# Altium PCB Copy of Motor_Driver_3_Phase.PcbDoc (part 1 of 3) (continued)
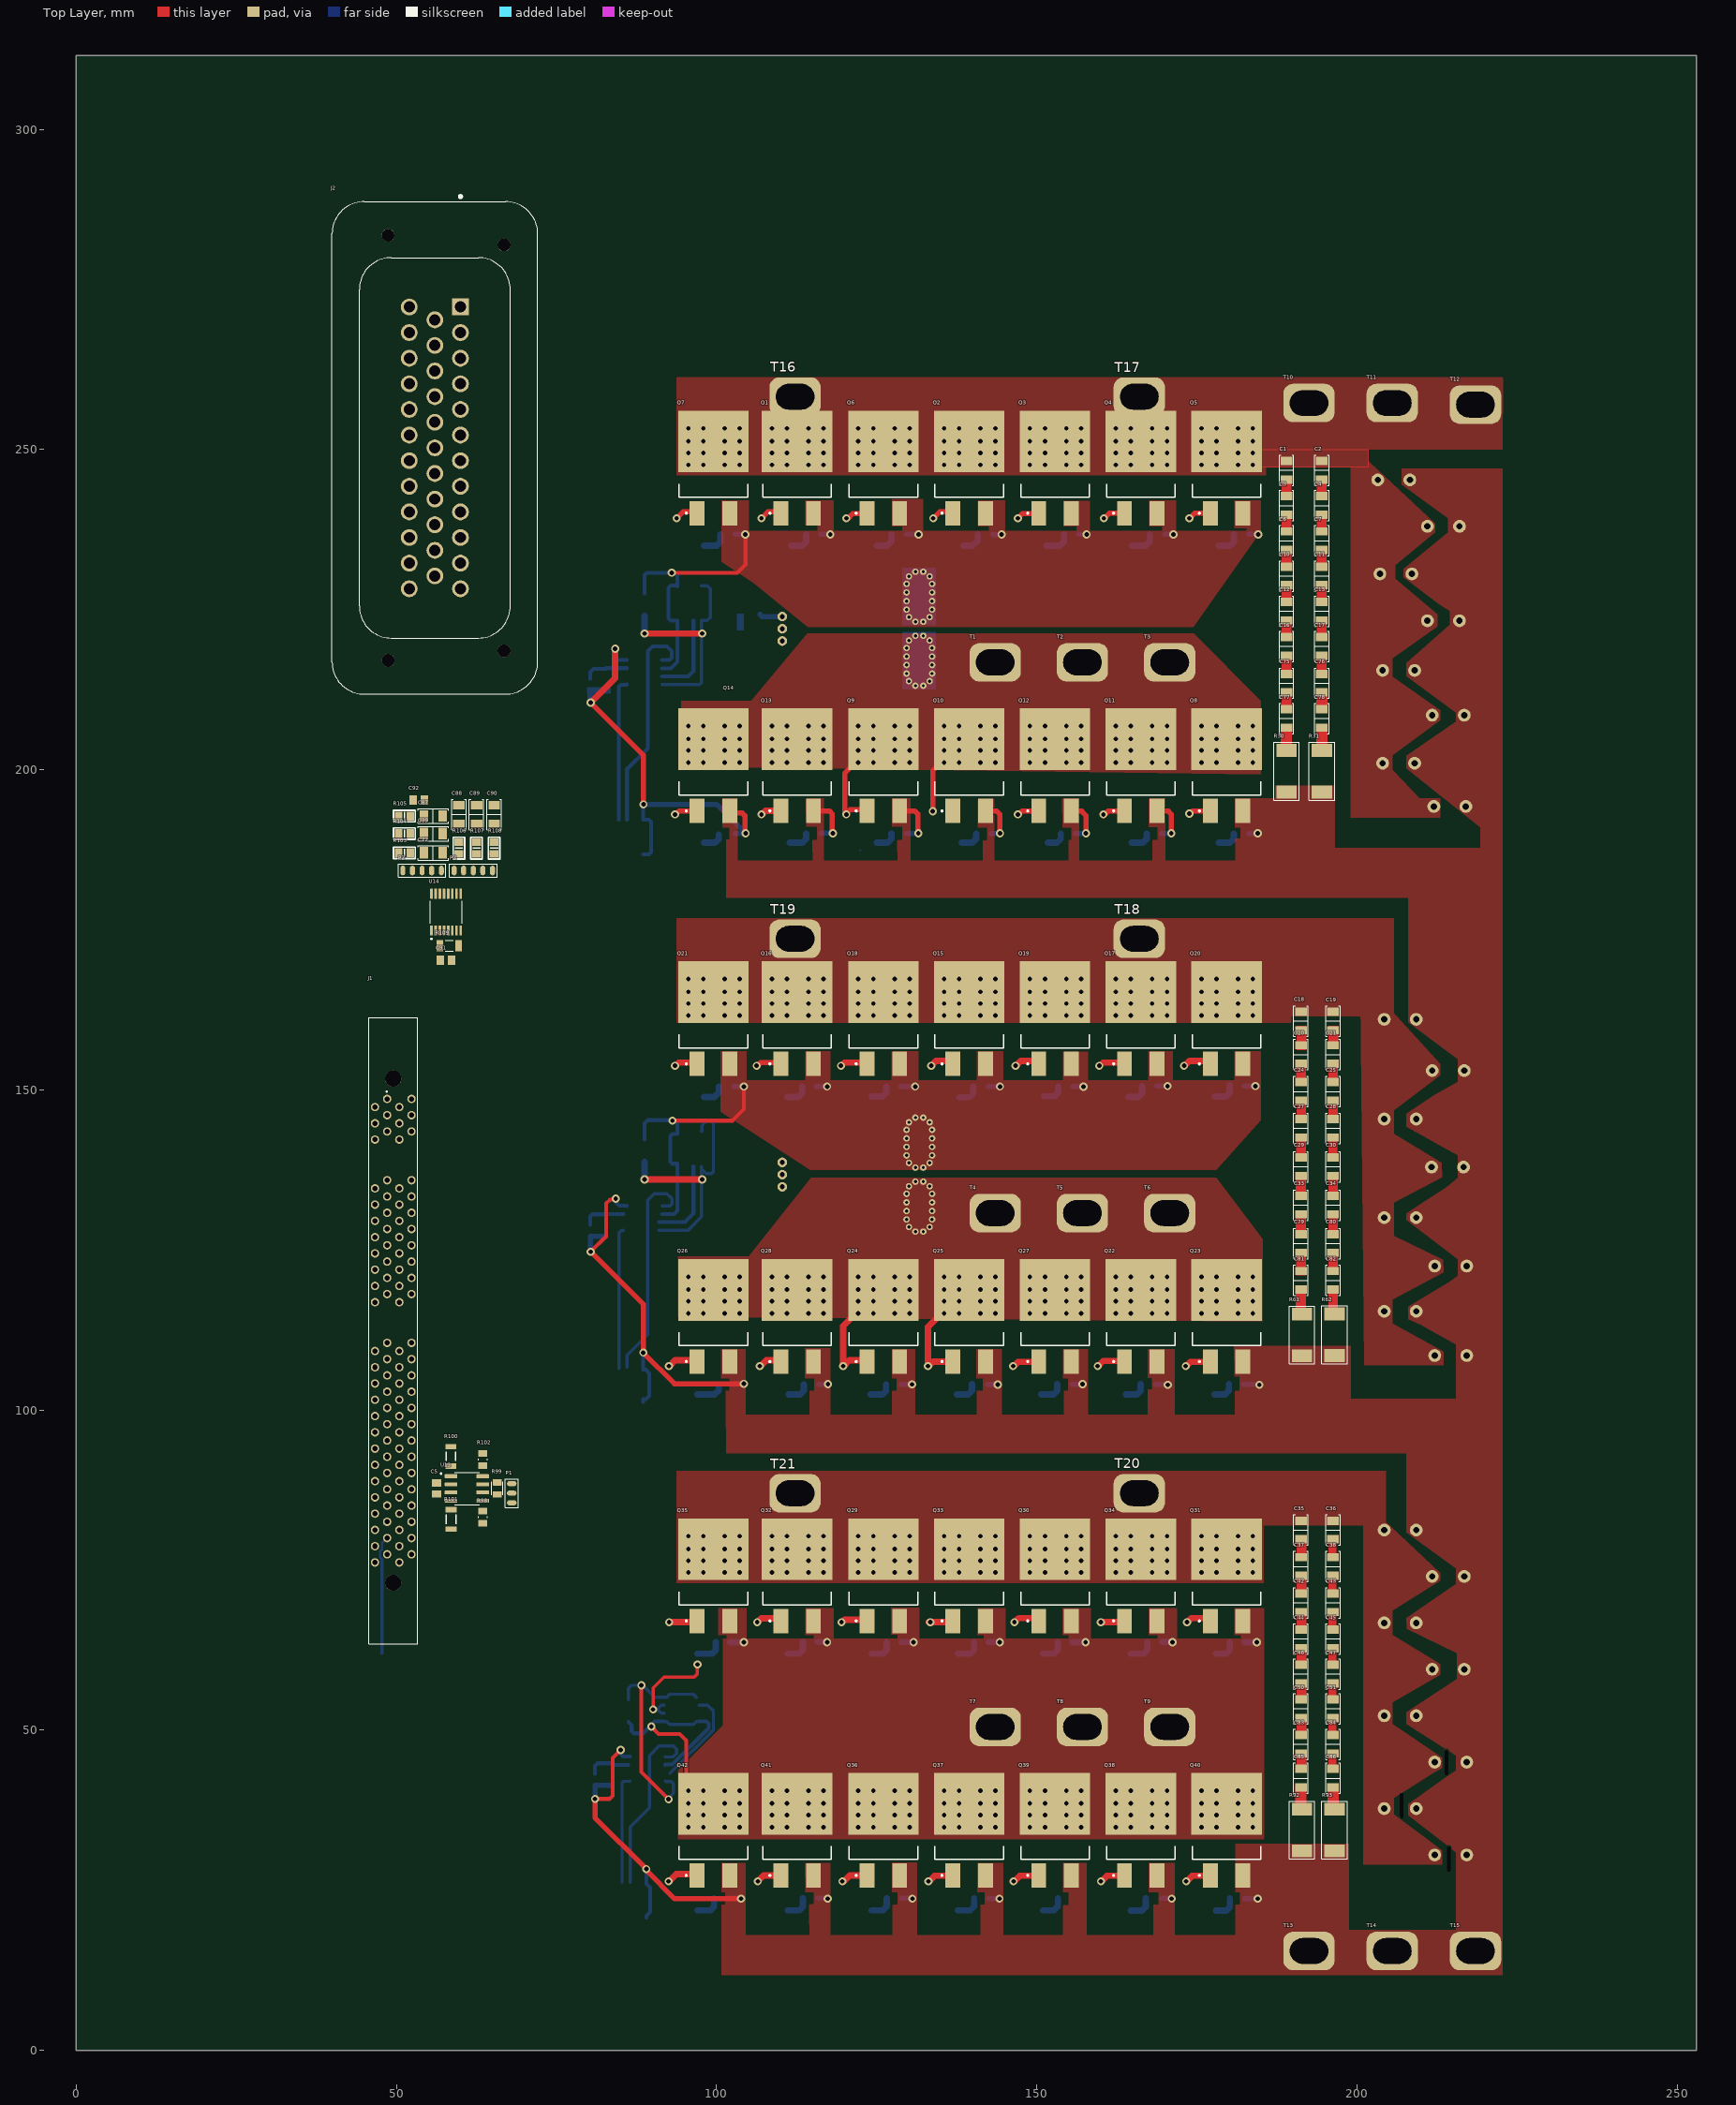
[diagram p0: Top Layer view]
## Components (designator, comment, footprint, x,y, rotation, side; value= is the part's Value field where it differs from the comment)
C1 "1nF" "CAP 1206_3216 - 1.8MM" 189,246.75 r90 top
C2 "1nF" "CAP 1206_3216 - 1.8MM" 194.5,246.75 r90 top
C3 "1nF" "CAP 1206_3216 - 1.8MM" 189,241.25 r90 top
C4 "1nF" "CAP 1206_3216 - 1.8MM" 194.5,241.25 r90 top
C5 "0.1uF" CAPC2012X88N 56.25,87.75 r90 top
C6 "1nF" "CAP 1206_3216 - 1.8MM" 189,235.75 r90 top
C7 "1nF" "CAP 1206_3216 - 1.8MM" 194.5,235.75 r90 top
C8 "4.7uF" "CAP ALSMD POLY 4.3MM H5.5MM" 88.75,225.75 r90 bottom
C9 "4.7uF" "CAP ALSMD POLY 4.3MM H5.5MM" 88.75,140.5 r90 bottom
C10 "1nF" "CAP 1206_3216 - 1.8MM" 189,230.25 r90 top
C11 "1nF" "CAP 1206_3216 - 1.8MM" 194.5,230.25 r90 top
C12 "1nF" "CAP 1206_3216 - 1.8MM" 189,224.75 r90 top
C13 "1nF" "CAP 1206_3216 - 1.8MM" 194.5,224.75 r90 top
C14 "10UF" CAPC2012X140N 80.267,213.285 r270 bottom
C15 "10UF" CAPC2012X140N 80.267,128.035 r270 bottom
C16 "1nF" "CAP 1206_3216 - 1.8MM" 189,219.25 r90 top
C17 "1nF" "CAP 1206_3216 - 1.8MM" 194.5,219.25 r90 top
C18 "1nF" "CAP 1206_3216 - 1.8MM" 191.25,160.75 r90 top
C19 "1nF" "CAP 1206_3216 - 1.8MM" 196.25,160.75 r90 top
C20 "1nF" "CAP 1206_3216 - 1.8MM" 191.25,155.5 r90 top
C21 "1nF" "CAP 1206_3216 - 1.8MM" 196.25,155.5 r90 top
C22 "1nF" "CAP 1206_3216 - 1.8MM" 55.75,187 r180 top
C23 "4.7uF" "CAP ALSMD POLY 4.3MM H5.5MM" 86.238,53 r270 bottom
C24 "1nF" "CAP 1206_3216 - 1.8MM" 191.25,149.75 r90 top
C25 "1nF" "CAP 1206_3216 - 1.8MM" 196.25,149.75 r90 top
C26 "10UF" CAPC2012X140N 81.017,42.285 r270 bottom
C27 "1nF" "CAP 1206_3216 - 1.8MM" 191.25,144 r90 top
C28 "1nF" "CAP 1206_3216 - 1.8MM" 196.25,144 r90 top
C29 "1nF" "CAP 1206_3216 - 1.8MM" 191.25,138 r90 top
C30 "1nF" "CAP 1206_3216 - 1.8MM" 196.25,138 r90 top
C31 "63v 4700uF" "cap 10*20" 205.75,245.25 r0 bottom
C32 "63v 4700uF" "cap 10*20" 213.5,238 r0 bottom
C33 "1nF" "CAP 1206_3216 - 1.8MM" 191.25,132 r90 top
C34 "1nF" "CAP 1206_3216 - 1.8MM" 196.25,132 r90 top
C35 "1nF" "CAP 1206_3216 - 1.8MM" 191.25,81.25 r90 top
C36 "1nF" "CAP 1206_3216 - 1.8MM" 196.25,81.25 r90 top
C37 "1nF" "CAP 1206_3216 - 1.8MM" 191.25,75.561 r90 top
C38 "1nF" "CAP 1206_3216 - 1.8MM" 196.25,75.561 r90 top
C39 "1nF" "CAP 1206_3216 - 1.8MM" 55.75,190 r180 top
C40 "63v 4700uF" "cap 10*20" 206.074,230.568 r0 bottom
C41 "63v 4700uF" "cap 10*20" 213.5,223.25 r0 bottom
C42 "1nF" "CAP 1206_3216 - 1.8MM" 191.25,69.899 r90 top
C43 "1nF" "CAP 1206_3216 - 1.8MM" 196.25,69.899 r90 top
C44 "1nF" "CAP 1206_3216 - 1.8MM" 191.25,64.243 r90 top
C45 "1nF" "CAP 1206_3216 - 1.8MM" 196.25,64.243 r90 top
C46 "1nF" "CAP 1206_3216 - 1.8MM" 191.25,58.753 r90 top
C47 "1nF" "CAP 1206_3216 - 1.8MM" 196.25,58.753 r90 top
C48 "63v 4700uF" "cap 10*20" 206.5,215.5 r0 bottom
C49 "63v 4700uF" "cap 10*20" 214.25,208.5 r0 bottom
C50 "1nF" "CAP 1206_3216 - 1.8MM" 191.25,53.345 r90 top
C51 "1nF" "CAP 1206_3216 - 1.8MM" 196.25,53.345 r90 top
C52 "63v 4700uF" "cap 10*20" 206.5,201 r0 bottom
C53 "63v 4700uF" "cap 10*20" 214.5,194.25 r0 bottom
C54 "63v 4700uF" "cap 10*20" 206.75,161 r0 bottom
C55 "63v 4700uF" "cap 10*20" 214.25,153 r0 bottom
C56 "63v 4700uF" "cap 10*20" 206.75,145.435 r0 bottom
C57 "63v 4700uF" "cap 10*20" 214.136,137.928 r0 bottom
C58 "63v 4700uF" "cap 10*20" 206.75,130.036 r0 bottom
C59 "63v 4700uF" "cap 10*20" 214.636,122.474 r0 bottom
C60 "63v 4700uF" "cap 10*20" 206.75,115.408 r0 bottom
C61 "63v 4700uF" "cap 10*20" 214.636,108.5 r0 bottom
C62 "63v 4700uF" "cap 10*20" 206.75,81.247 r0 bottom
C63 "63v 4700uF" "cap 10*20" 214.25,74 r0 bottom
C64 "63v 4700uF" "cap 10*20" 206.75,66.747 r0 bottom
C65 "63v 4700uF" "cap 10*20" 214.25,59.503 r0 bottom
C66 "63v 4700uF" "cap 10*20" 206.75,52.247 r0 bottom
C67 "63v 4700uF" "cap 10*20" 214.636,45.003 r0 bottom
C68 "63v 4700uF" "cap 10*20" 206.75,37.747 r0 bottom
C69 "63v 4700uF" "cap 10*20" 214.636,30.5 r0 bottom
C70 "uF" C-1206 105.25,221.75 r180 bottom
C71 "uF" C-1206 105.25,137 r180 bottom
C72 "100nF" C-0805W 101.75,236.75 r180 bottom
C73 "100nF" C-0805W 115.108,236.747 r180 bottom
C74 "100nF" C-0805W 128.438,236.747 r180 bottom
C75 "1nF" "CAP 1206_3216 - 1.8MM" 189,213.5 r90 top
C76 "1nF" "CAP 1206_3216 - 1.8MM" 194.5,213.5 r90 top
C77 "1nF" "CAP 1206_3216 - 1.8MM" 189,208 r90 top
C78 "1nF" "CAP 1206_3216 - 1.8MM" 194.5,208 r90 top
C79 "1nF" "CAP 1206_3216 - 1.8MM" 191.25,126 r90 top
C80 "1nF" "CAP 1206_3216 - 1.8MM" 196.25,126 r90 top
C81 "1nF" "CAP 1206_3216 - 1.8MM" 191.25,120.25 r90 top
C82 "1nF" "CAP 1206_3216 - 1.8MM" 196.25,120.25 r90 top
C83 "1nF" "CAP 1206_3216 - 1.8MM" 191.25,47.803 r90 top
C84 "1nF" "CAP 1206_3216 - 1.8MM" 196.25,47.803 r90 top
C85 "1nF" "CAP 1206_3216 - 1.8MM" 191.25,42.511 r90 top
C86 "1nF" "CAP 1206_3216 - 1.8MM" 196.25,42.511 r90 top
C87 "1nF" "CAP 1206_3216 - 1.8MM" 55.75,192.75 r180 top
C88 "1nF" "CAP 1206_3216 - 1.8MM" 59.75,193 r270 top
C89 "1nF" "CAP 1206_3216 - 1.8MM" 62.5,193 r270 top
C90 "1nF" "CAP 1206_3216 - 1.8MM" 65.25,193 r270 top
C91 "0.1uF" CAPC2012X88N 57.75,170.25 r0 top
C92 "0.1uF" CAPC2012X88N 53.5,195.25 r0 top
C93 "100nF" C-0805W 141.945,236.747 r180 bottom
C94 "100nF" C-0805W 155.389,236.747 r180 bottom
C95 "100nF" C-0805W 168.794,236.747 r180 bottom
C96 "100nF" C-0805W 181.906,236.747 r180 bottom
C97 "100nF" C-0805W 128.438,190.031 r180 bottom
C98 "100nF" C-0805W 141.695,190 r180 bottom
C99 "100nF" C-0805W 168.294,190 r180 bottom
C100 "100nF" C-0805W 181.906,190 r180 bottom
C101 "100nF" C-0805W 101.5,190.031 r180 bottom
C102 "100nF" C-0805W 115.108,190.031 r180 bottom
C103 "100nF" C-0805W 154.889,190 r180 bottom
C104 "100nF" C-0805W 114.5,150.5 r180 bottom
C105 "100nF" C-0805W 127.624,150.5 r180 bottom
C106 "100nF" C-0805W 141.24,150.5 r180 bottom
C107 "100nF" C-0805W 154.5,150.5 r180 bottom
C108 "100nF" C-0805W 167.597,150.567 r180 bottom
C109 "100nF" C-0805W 181.246,150.567 r180 bottom
C110 "100nF" C-0805W 101.5,150.5 r180 bottom
C111 "100nF" C-0805W 127.611,103.999 r180 bottom
C112 "100nF" C-0805W 141.047,104.014 r180 bottom
C113 "100nF" C-0805W 167.342,104.014 r180 bottom
C114 "100nF" C-0805W 181.143,104.014 r180 bottom
C115 "100nF" C-0805W 101.5,103.999 r180 bottom
C116 "100nF" C-0805W 114.75,103.999 r180 bottom
C117 "100nF" C-0805W 154.35,104.014 r180 bottom
C118 "100nF" C-0805W 114.621,63.772 r180 bottom
C119 "100nF" C-0805W 127.71,63.772 r180 bottom
C120 "100nF" C-0805W 141.356,63.772 r180 bottom
C121 "100nF" C-0805W 154.447,63.772 r180 bottom
C122 "100nF" C-0805W 168.413,63.772 r180 bottom
C123 "100nF" C-0805W 181.301,63.772 r180 bottom
C124 "100nF" C-0805W 101,63.772 r180 bottom
C125 "100nF" C-0805W 127.71,23.74 r180 bottom
C126 "100nF" C-0805W 141.356,23.74 r180 bottom
C127 "100nF" C-0805W 168.163,23.74 r180 bottom
C128 "100nF" C-0805W 181.301,23.74 r180 bottom
C129 "100nF" C-0805W 100.75,23.74 r180 bottom
C130 "100nF" C-0805W 114.621,23.74 r180 bottom
C131 "100nF" C-0805W 154.447,23.74 r180 bottom
D1 "1N4148 Diyot" SOD-123 93.5,235.535 r270 bottom
D2 "1N4148 Diyot" SOD-123 107.122,235.535 r270 bottom
D3 "1N4148 Diyot" SOD-123 120.5,235.535 r270 bottom
D4 "1N4148 Diyot" SOD-123 133.952,235.535 r270 bottom
D5 "1N4148 Diyot" SOD-123 146.96,235.535 r270 bottom
D6 "1N4148 Diyot" SOD-123 160.25,235.535 r270 bottom
D7 "1N4148 Diyot" SOD-123 173.797,235.535 r270 bottom
D8 "1N4148 Diyot" SOD-123 120.5,189.25 r270 bottom
D9 "1N4148 Diyot" SOD-123 133.702,189.25 r270 bottom
D10 "1N4148 Diyot" SOD-123 93.5,189.25 r270 bottom
D11 "1N4148 Diyot" SOD-123 106.872,189.25 r270 bottom
D12 "1N4148 Diyot" SOD-123 146.96,189.25 r270 bottom
D13 "1N4148 Diyot" SOD-123 160.25,189.25 r270 bottom
D14 "1N4148 Diyot" SOD-123 173.797,189.25 r270 bottom
D15 "1N4148 Diyot" SOD-123 93.5,149.5 r270 bottom
D16 "1N4148 Diyot" SOD-123 106.5,149.5 r270 bottom
D17 "1N4148 Diyot" SOD-123 119.75,149.5 r270 bottom
D18 "1N4148 Diyot" SOD-123 133.364,149.472 r270 bottom
D19 "1N4148 Diyot" SOD-123 146.679,149.551 r270 bottom
D20 "1N4148 Diyot" SOD-123 159.726,149.42 r270 bottom
D21 "1N4148 Diyot" SOD-123 173.25,149.5 r270 bottom
D22 "1N4148 Diyot" SOD-123 119.534,103 r270 bottom
D23 "1N4148 Diyot" SOD-123 133.036,103 r270 bottom
D24 "1N4148 Diyot" SOD-123 92.5,103 r270 bottom
D25 "1N4148 Diyot" SOD-123 106.661,103 r270 bottom
D26 "1N4148 Diyot" SOD-123 146.066,103 r270 bottom
D27 "1N4148 Diyot" SOD-123 159.424,103 r270 bottom
D28 "1N4148 Diyot" SOD-123 173.108,103 r270 bottom
D29 "1N4148 Diyot" SOD-123 92.5,62.5 r270 bottom
D30 "1N4148 Diyot" SOD-123 106.499,62.5 r270 bottom
D31 "1N4148 Diyot" SOD-123 119.587,62.5 r270 bottom
D32 "1N4148 Diyot" SOD-123 133.136,62.5 r270 bottom
D33 "1N4148 Diyot" SOD-123 146.481,62.5 r270 bottom
D34 "1N4148 Diyot" SOD-123 160.051,62.5 r270 bottom
D35 "1N4148 Diyot" SOD-123 173.46,62.5 r270 bottom
D36 "1N4148 Diyot" SOD-123 119.587,22.405 r270 bottom
D37 "1N4148 Diyot" SOD-123 133.136,22.405 r270 bottom
D38 "1N4148 Diyot" SOD-123 92.5,22.405 r270 bottom
D39 "1N4148 Diyot" SOD-123 106.499,22.405 r270 bottom
D40 "1N4148 Diyot" SOD-123 146.481,22.405 r270 bottom
D41 "1N4148 Diyot" SOD-123 160.051,22.409 r270 bottom
D42 "1N4148 Diyot" SOD-123 173.46,22.409 r270 bottom
J1 "100 Position DIMM" TE_5390213-1 49.5,112.38 r270 top
J2 "Conn Power HDR 35 POS" TE_776230-2 56,250.25 r270 top
P1 "WR-PHD 2.54 mm Angled Socket Header" PWM_CONN 68,87 r270 top
P2 "WR-PHD 2.54 mm Angled Socket Header" TTL_CONN_5 54,184.25 r0 top
P3 "WR-PHD 2.54 mm Angled Socket Header" TTL_CONN_5 62,184.25 r0 top
PS1 "REC10-4815DRWZ/H2/A/M/SMD" CONV_REC10-4815DRWZ/H2/A/M/SMD 57.5,24.75 r270 bottom
Q1 "TO-263" DPAK_TO263 112.568,246.25 r90 top
Q2 "TO-263" DPAK_TO263 139.44,246.25 r90 top
Q3 "TO-263" DPAK_TO263 152.837,246.25 r90 top
Q4 "TO-263" DPAK_TO263 166.234,246.25 r90 top
Q5 "TO-263" DPAK_TO263 179.631,246.25 r90 top
Q6 "TO-263" DPAK_TO263 126.044,246.25 r90 top
Q7 "TO-263" DPAK_TO263 99.5,246.25 r90 top
Q8 "TO-263" DPAK_TO263 179.631,199.754 r90 top
Q9 "TO-263" DPAK_TO263 126.044,199.754 r90 top
Q10 "TO-263" DPAK_TO263 139.44,199.754 r90 top
Q11 "TO-263" DPAK_TO263 166.234,199.754 r90 top
Q12 "TO-263" DPAK_TO263 152.837,199.754 r90 top
Q13 "TO-263" DPAK_TO263 112.568,199.754 r90 top
Q14 "TO-263" DPAK_TO263 99.5,199.754 r90 top
Q15 "TO-263" DPAK_TO263 139.44,160.25 r90 top
Q16 "TO-263" DPAK_TO263 112.568,160.25 r90 top
Q17 "TO-263" DPAK_TO263 166.234,160.25 r90 top
Q18 "TO-263" DPAK_TO263 126.044,160.25 r90 top
Q19 "TO-263" DPAK_TO263 152.837,160.25 r90 top
Q20 "TO-263" DPAK_TO263 179.631,160.25 r90 top
Q21 "TO-263" DPAK_TO263 99.5,160.25 r90 top
Q22 "TO-263" DPAK_TO263 166.234,113.754 r90 top
Q23 "TO-263" DPAK_TO263 179.631,113.754 r90 top
Q24 "TO-263" DPAK_TO263 126.044,113.754 r90 top
Q25 "TO-263" DPAK_TO263 139.44,113.754 r90 top
Q26 "TO-263" DPAK_TO263 99.5,113.754 r90 top
Q27 "TO-263" DPAK_TO263 152.837,113.754 r90 top
Q28 "TO-263" DPAK_TO263 112.568,113.754 r90 top
Q29 "TO-263" DPAK_TO263 126.044,73.25 r90 top
Q30 "TO-263" DPAK_TO263 152.837,73.25 r90 top
Q31 "TO-263" DPAK_TO263 179.631,73.25 r90 top
Q32 "TO-263" DPAK_TO263 112.568,73.25 r90 top
Q33 "TO-263" DPAK_TO263 139.44,73.25 r90 top
Q34 "TO-263" DPAK_TO263 166.234,73.25 r90 top
Q35 "TO-263" DPAK_TO263 99.5,73.25 r90 top
Q36 "TO-263" DPAK_TO263 126.044,33.504 r90 top
Q37 "TO-263" DPAK_TO263 139.44,33.504 r90 top
Q38 "TO-263" DPAK_TO263 166.234,33.504 r90 top
Q39 "TO-263" DPAK_TO263 152.837,33.504 r90 top
Q40 "TO-263" DPAK_TO263 179.631,33.504 r90 top
Q41 "TO-263" DPAK_TO263 112.568,33.504 r90 top
Q42 "TO-263" DPAK_TO263 99.5,33.504 r90 top
R1 "22Ω" R-1206W 95.786,235.578 r90 bottom
R2 "22Ω" R-1206W 109.424,235.578 r90 bottom
R3 "RES SMD 10K OHM 1% 1/8W 0805" R-0805W 111.657,236.124 r90 bottom
R4 "22Ω" R-1206W 122.77,235.578 r90 bottom
R5 "RES SMD 10K OHM 1% 1/8W 0805" R-0805W 125.001,236.124 r90 bottom
R6 "22Ω" R-1206W 136.266,235.578 r90 bottom
R7 "RES SMD 10K OHM 1% 1/8W 0805" R-0805W 138.519,236.124 r90 bottom
R8 "22Ω" R-1206W 149.284,235.578 r90 bottom
R9 "RES SMD 10K OHM 1% 1/8W 0805" R-0805W 151.52,236.124 r90 bottom
R10 "22Ω" R-1206W 162.563,235.578 r90 bottom
R11 "RES SMD 10K OHM 1% 1/8W 0805" R-0805W 164.81,236.124 r90 bottom
R12 "22Ω" R-1206W 176.099,235.578 r90 bottom
R13 "RES SMD 10K OHM 1% 1/8W 0805" R-0805W 178.381,236.124 r90 bottom
R14 "RES SMD 10K OHM 1% 1/8W 0805" R-0805W 98.036,236.124 r90 bottom
R15 "22Ω" R-1206W 95.786,189.191 r90 bottom
R16 "22Ω" R-1206W 136.016,189.191 r90 bottom
R17 "22Ω" R-1206W 109.174,189.191 r90 bottom
R18 "22Ω" R-1206W 122.77,189.191 r90 bottom
R19 "22Ω" R-1206W 149.284,189.191 r90 bottom
R20 "22Ω" R-1206W 162.563,189.191 r90 bottom
R21 "22Ω" R-1206W 176.099,189.191 r90 bottom
R22 "12KΩ" R-1206W 82.744,214.103 r90 bottom
R23 "RES SMD 10K OHM 1% 1/8W 0805" R-0805W 125.001,189.738 r90 bottom
R24 "RES SMD 10K OHM 1% 1/8W 0805" R-0805W 138.269,189.738 r90 bottom
R25 "RES SMD 10K OHM 1% 1/8W 0805" R-0805W 164.81,189.738 r90 bottom
R26 "RES SMD 10K OHM 1% 1/8W 0805" R-0805W 178.381,189.738 r90 bottom
R27 "RES SMD 10K OHM 1% 1/8W 0805" R-0805W 98.036,189.738 r90 bottom
R28 "RES SMD 10K OHM 1% 1/8W 0805" R-0805W 111.407,189.738 r90 bottom
R29 "RES SMD 10K OHM 1% 1/8W 0805" R-0805W 151.52,189.738 r90 bottom
R30 "1" R-2512W 189,199.75 r90 top
R31 "1" R-2512W 194.5,199.75 r90 top
R32 "22Ω" R-1206W 95.786,149.5 r90 bottom
R33 "22Ω" R-1206W 108.75,149.5 r90 bottom
R34 "RES SMD 10K OHM 1% 1/8W 0805" R-0805W 111.027,150.03 r90 bottom
R35 "22Ω" R-1206W 122.027,149.521 r90 bottom
R36 "RES SMD 10K OHM 1% 1/8W 0805" R-0805W 124.236,150.091 r90 bottom
R37 "22Ω" R-1206W 135.604,149.444 r90 bottom
R38 "RES SMD 10K OHM 1% 1/8W 0805" R-0805W 137.872,149.982 r90 bottom
R39 "22Ω" R-1206W 148.93,149.558 r90 bottom
R40 "RES SMD 10K OHM 1% 1/8W 0805" R-0805W 151.154,150.125 r90 bottom
R41 "22Ω" R-1206W 162.026,149.408 r90 bottom
R42 "RES SMD 10K OHM 1% 1/8W 0805" R-0805W 164.269,150.014 r90 bottom
R43 "22Ω" R-1206W 175.599,149.499 r90 bottom
R44 "RES SMD 10K OHM 1% 1/8W 0805" R-0805W 177.792,150.083 r90 bottom
R45 "RES SMD 10K OHM 1% 1/8W 0805" R-0805W 98.036,150.03 r90 bottom
R46 "22Ω" R-1206W 94.778,103.005 r90 bottom
R47 "22Ω" R-1206W 121.801,103.005 r90 bottom
R48 "22Ω" R-1206W 135.332,103.005 r90 bottom
R49 "22Ω" R-1206W 108.982,103.005 r90 bottom
R50 "22Ω" R-1206W 148.387,103.005 r90 bottom
R51 "22Ω" R-1206W 161.673,103.005 r90 bottom
R52 "22Ω" R-1206W 175.431,103.005 r90 bottom
R53 "12KΩ" R-1206W 82.778,128.802 r90 bottom
R54 "RES SMD 10K OHM 1% 1/8W 0805" R-0805W 124.05,103.578 r90 bottom
R55 "RES SMD 10K OHM 1% 1/8W 0805" R-0805W 137.56,103.578 r90 bottom
R56 "RES SMD 10K OHM 1% 1/8W 0805" R-0805W 163.914,103.578 r90 bottom
R57 "RES SMD 10K OHM 1% 1/8W 0805" R-0805W 177.72,103.578 r90 bottom
R58 "RES SMD 10K OHM 1% 1/8W 0805" R-0805W 96.982,103.578 r90 bottom
R59 "RES SMD 10K OHM 1% 1/8W 0805" R-0805W 111.25,103.578 r90 bottom
R60 "RES SMD 10K OHM 1% 1/8W 0805" R-0805W 150.666,103.578 r90 bottom
R61 "1" R-2512W 191.419,111.719 r90 top
R62 "1" R-2512W 196.5,111.75 r90 top
R63 "22Ω" R-1206W 94.803,62.573 r90 bottom
R64 "22Ω" R-1206W 108.851,62.573 r90 bottom
R65 "RES SMD 10K OHM 1% 1/8W 0805" R-0805W 111.127,63.082 r90 bottom
R66 "22Ω" R-1206W 121.91,62.573 r90 bottom
R67 "RES SMD 10K OHM 1% 1/8W 0805" R-0805W 124.189,63.082 r90 bottom
R68 "22Ω" R-1206W 135.44,62.573 r90 bottom
R69 "RES SMD 10K OHM 1% 1/8W 0805" R-0805W 137.67,63.082 r90 bottom
R70 "22Ω" R-1206W 148.764,62.573 r90 bottom
R71 "RES SMD 10K OHM 1% 1/8W 0805" R-0805W 151.01,63.082 r90 bottom
R72 "22Ω" R-1206W 162.377,62.573 r90 bottom
R73 "RES SMD 10K OHM 1% 1/8W 0805" R-0805W 164.678,63.082 r90 bottom
R74 "22Ω" R-1206W 175.754,62.573 r90 bottom
R75 "RES SMD 10K OHM 1% 1/8W 0805" R-0805W 177.973,63.082 r90 bottom
R76 "RES SMD 10K OHM 1% 1/8W 0805" R-0805W 96.982,63.082 r90 bottom
R77 "22Ω" R-1206W 94.803,22.427 r90 bottom
R78 "22Ω" R-1206W 121.91,22.451 r90 bottom
R79 "22Ω" R-1206W 135.44,22.451 r90 bottom
R80 "22Ω" R-1206W 108.851,22.427 r90 bottom
R81 "22Ω" R-1206W 148.764,22.451 r90 bottom
R82 "22Ω" R-1206W 162.377,22.371 r90 bottom
R83 "22Ω" R-1206W 175.754,22.371 r90 bottom
R84 "12KΩ" R-1206W 83.467,43.069 r90 bottom
R85 "RES SMD 10K OHM 1% 1/8W 0805" R-0805W 124.189,23.002 r90 bottom
R86 "RES SMD 10K OHM 1% 1/8W 0805" R-0805W 137.67,23.002 r90 bottom
R87 "RES SMD 10K OHM 1% 1/8W 0805" R-0805W 164.678,22.952 r90 bottom
R88 "RES SMD 10K OHM 1% 1/8W 0805" R-0805W 177.973,22.952 r90 bottom
R89 "RES SMD 10K OHM 1% 1/8W 0805" R-0805W 96.982,22.989 r90 bottom
R90 "RES SMD 10K OHM 1% 1/8W 0805" R-0805W 111.127,22.989 r90 bottom
R91 "RES SMD 10K OHM 1% 1/8W 0805" R-0805W 151.01,23.002 r90 bottom
R92 "1" R-2512W 191.419,34.393 r90 top
R93 "1" R-2512W 196.5,34.393 r90 top
R94 "10K" R-1206 105.25,224.25 r180 bottom
R95 "10K" R-1206 105.15,139.5 r180 bottom
R98 "10K" RESC2012X70N 63.5,83.25 r270 top
R99 "120Ω" RESC2012X65N 65.75,87.75 r90 top
R100 "0 Ω" "RES 0.0 OHM 1206" 58.5,92.75 r270 top
R101 "0 Ω" "RES 0.0 OHM 1206" 58.527,82.926 r90 top
R102 "10K" RESC2012X70N 63.5,92.25 r270 top
R103 "RES SMD 1K OHM 1% 1/8W 0805" RES_0805 51.25,187 r180 top
R104 "RES SMD 1K OHM 1% 1/8W 0805" RES_0805 51.25,190 r180 top
R105 "RES SMD 1K OHM 1% 1/8W 0805" RES_0805 51.25,192.75 r180 top
R106 "RES SMD 1K OHM 1% 1/8W 0805" RES_0805 59.75,187.75 r90 top
R107 "RES SMD 1K OHM 1% 1/8W 0805" RES_0805 62.5,187.75 r90 top
R108 "RES SMD 1K OHM 1% 1/8W 0805" RES_0805 65.25,187.75 r90 top
R109 "2.2K" RESC3115X65N-2.2K-1206 58.25,172.5 r180 top
T1 "TCon" connectorout 143.5,216.75 r0 top
T2 "TCon" connectorout 157.125,216.75 r0 top
T3 "TCon" connectorout 170.75,216.75 r0 top
T4 "TCon" connectorout 143.5,130.75 r0 top
T5 "TCon" connectorout 157.125,130.75 r0 top
T6 "TCon" connectorout 170.75,130.75 r0 top
T7 "TCon" connectorout 143.5,50.5 r0 top
T8 "TCon" connectorout 157.125,50.5 r0 top
T9 "TCon" connectorout 170.75,50.5 r0 top
T10 "TCon" connectorout 192.5,257.25 r0 top
T11 "TCon" connectorout 205.5,257.25 r0 top
T12 "TCon" connectorout 218.5,257 r0 top
T13 "TCon" connectorout 192.5,15.5 r0 top
T14 "TCon" connectorout 205.5,15.5 r0 top
T15 "TCon" connectorout 218.5,15.5 r0 top
T16 "TCon" connectorout 112.25,258.25 r0 top
T17 "TCon" connectorout 166,258.25 r0 top
T18 "TCon" connectorout 166,173.577 r0 top
T19 "TCon" connectorout 112.25,173.577 r0 top
T20 "TCon" connectorout 166,87 r0 top
T21 "TCon" connectorout 112.25,87 r0 top
U1 "IXDD614 PI / SI" SOIC8-IXD_614 95.75,226 r90 bottom
U2 "IXDD614 PI / SI" SOIC8-IXD_614 95.75,140.75 r90 bottom
U3 "2ED21091S06F" SOIC127P600X172-8N-1-V 88.722,215.2 r0 bottom
U4 "2ED21091S06F" SOIC127P600X172-8N-1-V 88.722,129.95 r0 bottom
U5 "IXDD614 PI / SI" SOIC8-IXD_614 86.635,189.475 r270 bottom
U6 "IXDD614 PI / SI" SOIC8-IXD_614 86.635,103.975 r270 bottom
U7 "IXDD614 PI / SI" SOIC8-IXD_614 94.5,53.25 r180 bottom
U8 "2ED21091S06F" SOIC127P600X172-8N-1-V 89.222,43.95 r0 bottom
U9 "IXDD614 PI / SI" SOIC8-IXD_614 87.135,23.475 r270 bottom
U10 "ACS758ECB-200B-PFF-T" ACS756SCA-050B-PFF-T_2 126.15,217 r90 bottom
U11 "ACS758ECB-200B-PFF-T" ACS756SCA-050B-PFF-T_2 126.15,131.75 r90 bottom
U13 "SN65HVD234D" SOIC127P599X175-8N 61,87.75 r0 top
U14 "TXB0106PWR" SOP65P640X120-16N 57.75,177.75 r90 top

## Footprints (in the part's own frame and the unit in brackets; to place one, negate y for a bottom-side part, rotate by r counter-clockwise, add the part's x,y. Pads: shape width x height; smd on the part's side, far side on the other; paste and mask are expansions set on the pad)
ACS756SCA-050B-PFF-T_2 [mm]
  round 1.5 hole 0.8: 1(3.09,-15.9) 2(5,-15.9) 3(6.91,-15.9)
  round 1 hole 0.5: 4(6.098,4.882) 4(6.098,6.118) 4(6.824,3.882) 4(6.824,7.118) 4(8,3.5) 4(8,7.5) 4(9.333,3.5) 4(9.333,7.5) 4(10.667,3.5) 4(10.667,7.5) 4(12,3.5) 4(12,7.5) 4(13.176,3.882) 4(13.176,7.118) 4(13.902,4.882) 4(13.902,6.118) 5(-3.902,4.882) 5(-3.902,6.118) 5(-3.176,3.882) 5(-3.176,7.118) 5(-2,3.5) 5(-2,7.5) 5(-0.667,3.5) 5(-0.667,7.5) 5(0.667,3.5) 5(0.667,7.5) 5(2,3.5) 5(2,7.5) 5(3.176,3.882) 5(3.176,7.118) 5(3.902,4.882) 5(3.902,6.118)
  silkscreen extent -3,-15.94 13.01,6.5
C-0805W [mm] "capacitor 0805 wave soldering"
  rect 1x1.3 smd: 1(-1.15,0) 2(1.15,0)
  silkscreen extent -1.88,-0.9 1.88,0.87, body extent -1,-0.63 1,0.63, height 0.78
C-1206 [mm]
  rect 1.2x1.7 smd: 1(-1.6,0) 2(1.6,0)
  silkscreen extent -2.4,-1.05 2.37,1.05, body extent -1.6,-0.8 1.6,0.8, height 1
"cap 10*20" [mm]
  round 2 hole 1: 1(-2.5,0) 2(2.5,0)
  silkscreen extent -6.47,-5 5,4.99, body extent -5.23,-5.02 4.93,5.13, height 20.33
"CAP 1206_3216 - 1.8MM" [mm] "Chip Capacitor, 2-Leads, Body 3.25x1.60mm, IPC Medium Density"
  rect 1.3x1.8 smd: 1(-1.45,0) 2(1.45,0)
  silkscreen extent -2.37,-1.12 2.37,1.12, body extent -1.6,-0.8 1.6,0.8, height 1.8
"CAP ALSMD POLY 4.3MM H5.5MM" [mm] "Aluminum Polymer Capacitor, Body 4.30x4.30x5.50mm, IPC Low Density"
  rect 2.5x1.6 smd: 1(-1.75,0) 2(1.75,0)
  silkscreen extent -2.17,-2.21 2.3,2.2, body extent -2.3,-2.2 2.3,2.2, height 5.5
CAPC2012X88N [mm]
  rect 1.16x1.47 smd: 1(-0.875,0) 2(0.875,0)
  body extent -1.06,-0.72 1.14,0.73, height 1
CAPC2012X140N [mm]
  rect 1.15x1.45 smd: 1(-0.9,0) 2(0.9,0)
  silkscreen extent 0,-0.55 0,0.55, body extent -1.02,-0.65 1.03,0.65, height 1.2
connectorout [mm]
  rrect50% 8x6 hole 4 slot 6 at 0 deg: 1(0,0)
CONV_REC10-4815DRWZ/H2/A/M/SMD [mm]
  rect 1.54x2.03 smd: 1(-13.97,-12.32) 2(-11.43,-12.32) 3(-8.89,-12.32) 4(-6.35,-12.32) 5(-3.81,-12.32) 9(6.35,-12.32) 10(8.89,-12.32) 11(11.43,-12.32) 12(13.97,-12.32) 13(13.97,12.32) 14(11.43,12.32) 15(8.89,12.32) 16(6.35,12.32) 20(-3.81,12.32) 21(-6.35,12.32) 22(-8.89,12.32) 23(-11.43,12.32) 24(-13.97,12.32)
  silkscreen extent -16.64,-12.17 16,10.15, body extent -16,-12.73 16,12.72, height 11.32
DPAK_TO263 [mm] "D2-PAK, 3-Pads, Body 7.93x8.70mm (max), IPC Medium Density"
  rect 3.81x2.32 smd: 1(-6.2,2.54) 2(-6.2,-2.54)
  rect 9.65x11 smd: 3(5,0)
  silkscreen extent -6.32,-5.35 -1.62,5.35, body extent -7.51,-4.98 8.16,5.02, height 4.81
PWM_CONN [mm]
  oval 0.8x1.5 smd: 1(-1.5,0) 2(0,0) 3(1.5,0)
  silkscreen extent -2.25,-1 2.22,1
R-0805W [mm] "resistor 0805 wave soldering"
  rect 1x1.3 smd: 1(-1.15,0) 2(1.15,0)
  silkscreen extent -1.95,-0.9 1.95,0.9, body extent -1,-0.63 1,0.63, height 0.5
R-1206 [mm]
  rect 1.2x1.8 smd: 1(-1.5,0) 2(1.5,0)
  silkscreen extent -2.32,-1.1 2.27,1.12, body extent -1.6,-0.77 1.6,0.83, height 0.56
R-1206W [mm] "resistor 1206 wave soldering"
  rect 1x1.7 smd: 1(-1.75,0) 2(1.75,0)
  silkscreen extent -2.52,-1.1 2.52,1.12, body extent -1.55,-0.77 1.55,0.78, height 0.55
R-2512W [mm] "resistor 2512 wave soldering"
  rect 2x3.2 smd: 1(-3.25,0) 2(3.25,0)
  silkscreen extent -4.5,-2 4.5,2, body extent -3.15,-1.55 3.15,1.55, height 0.55
"RES 0.0 OHM 1206" [mm]
  rect 0.85x1.7 smd: 1(-1.525,0) 2(1.525,0)
  silkscreen extent -0.7,-0.75 0.7,0.75, body extent -1.6,-0.85 1.6,0.85, height 0.65
RES_0805 [mm]
  rect 1.2x1.4 smd: 1(-0.9,0) 2(0.9,0)
  silkscreen extent -1.7,-0.9 1.7,0.9, body extent -1.05,-0.68 1.05,0.68, height 0.6
RESC2012X65N [mm]
  rrect25% 1x1.42 smd: 1(-0.935,0) 2(0.935,0)
  silkscreen extent -1,-0.89 1,0.89, body extent -1,-0.62 1,0.62, height 0.6
RESC2012X70N [mm]
  rect 1.04x1.38 smd: 1(-0.94,0) 2(0.94,0)
  silkscreen extent -0.1,-0.68 0.1,0.68, body extent -1,-0.62 1,0.63, height 0.7
RESC3115X65N-2.2K-1206 [mm]
  rect 1.05x1.72 smd: 1(-1.46,0) 2(1.46,0)
  silkscreen extent -0.62,-0.85 0.62,0.85, body extent -1.55,-0.77 1.55,0.78, height 0.65
SOD-123 [mm] "SOD, 2-Leads, Body 1.55x3.70mm, IPC Medium Density"
  rrect25% 1x0.8 smd: 1(-1.85,0) 2(1.85,0)
  silkscreen extent -2.54,-0.92 2.67,0.92, body extent -1.95,-0.9 1.95,0.9, height 1.18
SOIC8-IXD_614 [mm]
  rect 1.45x0.6 smd: 1(-2.725,1.905) 2(-2.725,0.635) 3(-2.725,-0.635) 4(-2.725,-1.905) 5(2.725,-1.905) 6(2.725,-0.635) 7(2.725,0.635) 8(2.725,1.905)
  rect 2.41x3.81 smd: 9(0,0)
  silkscreen extent -2.85,-2.5 1.6,2.88, body extent -3,-2.5 3,2.5, height 1.7
SOIC127P599X175-8N [mm]
  rrect25% 1.97x0.6 smd: 1(-2.47,1.905) 2(-2.47,0.635) 3(-2.47,-0.635) 4(-2.47,-1.905) 5(2.47,-1.905) 6(2.47,-0.635) 7(2.47,0.635) 8(2.47,1.905)
  silkscreen extent -4.14,-2.52 1.95,2.52, body extent -3,-2.45 3,2.45, height 1.75
SOIC127P600X172-8N-1-V [mm] "SOIC,1.27mm pitch;8 pin,3.90mm W X 4.90mm L X 1.72mm H body"
  rect 1.47x0.65 smd paste+0 mask+0: 1(-2.765,1.905) 2(-2.765,0.635) 3(-2.765,-0.635) 4(-2.765,-1.905) 5(2.765,-1.905) 6(2.765,-0.635) 7(2.765,0.635) 8(2.765,1.905)
  silkscreen extent -3.32,-2.5 1.6,2.9, body extent -3,-2.45 3,2.45, height 1.73
SOP65P640X120-16N [mm]
  rrect25% 1.57x0.41 smd: 1(-2.87,2.275) 2(-2.87,1.625) 3(-2.87,0.975) 4(-2.87,0.325) 5(-2.87,-0.325) 6(-2.87,-0.975) 7(-2.87,-1.625) 8(-2.87,-2.275) 9(2.87,-2.275) 10(2.87,-1.625) 11(2.87,-0.975) 12(2.87,-0.325) 13(2.87,0.325) 14(2.87,0.975) 15(2.87,1.625) 16(2.87,2.275)
  silkscreen extent -4.29,-2.5 1.77,2.5, body extent -3.2,-2.5 3.2,2.5, height 1.2
TE_776230-2 [mm]
  rect 2.625x2.625 hole 1.75: 1(-22,4)
  round 2.625 hole 1.75: 2(-18,4) 3(-14,4) 4(-10,4) 5(-6,4) 6(-2,4) 7(2,4) 8(6,4) 9(10,4) 10(14,4) 11(18,4) 12(22,4) 13(-20,0) 14(-16,0) 15(-12,0) 16(-8,0) 17(-4,0) 18(0,0) 19(4,0) 20(8,0) 21(12,0) 22(16,0) 23(20,0) 24(-22,-4) 25(-18,-4) 26(-14,-4) 27(-10,-4) 28(-6,-4) 29(-2,-4) 30(2,-4) 31(6,-4) 32(10,-4) 33(14,-4) 34(18,-4) 35(22,-4)
  round 2 hole 2 unplated: ""(-33.2,-7.3) ""(-31.7,10.8) ""(31.7,10.8) ""(33.2,-7.3)
  silkscreen extent -39.45,-16.05 38.45,16.05, body extent -38.43,-15.96 38.47,16.14, height 30.48
TE_5390213-1 [mm]
  round 1.318 hole 0.81: 1(-36.195,-0.95) 2(-34.925,-2.85) 3(-33.655,-0.95) 4(-32.385,-2.85) 5(-31.115,-0.95) 6(-29.845,-2.85) 7(-23.495,-0.95) 8(-22.225,-2.85) 9(-20.955,-0.95) 10(-19.685,-2.85) 11(-18.415,-0.95) 12(-17.145,-2.85) 13(-15.875,-0.95) 14(-14.605,-2.85) 15(-13.335,-0.95) 16(-12.065,-2.85) 17(-10.795,-0.95) 18(-9.525,-2.85) 19(-8.255,-0.95) 20(-6.985,-2.85) 21(-5.715,-0.95) 22(-4.445,-2.85) 23(1.905,-0.95) 24(3.175,-2.85) 25(4.445,-0.95) 26(5.715,-2.85) 27(6.985,-0.95) 28(8.255,-2.85) 29(9.525,-0.95) 30(10.795,-2.85) 31(12.065,-0.95) 32(13.335,-2.85) 33(14.605,-0.95) 34(15.875,-2.85) 35(17.145,-0.95) 36(18.415,-2.85) 37(19.685,-0.95) 38(20.955,-2.85) 39(22.225,-0.95) 40(23.495,-2.85) 41(24.765,-0.95) 42(26.035,-2.85) 43(27.305,-0.95) 44(28.575,-2.85) 45(29.845,-0.95) 46(31.115,-2.85) 47(32.385,-0.95) 48(33.655,-2.85) 49(34.925,-0.95) 50(36.195,-2.85) 51(-36.195,2.85) 52(-34.925,0.95) 53(-33.655,2.85) 54(-32.385,0.95) 55(-31.115,2.85) 56(-29.845,0.95) 57(-23.495,2.85) 58(-22.225,0.95) 59(-20.955,2.85) 60(-19.685,0.95) 61(-18.415,2.85) 62(-17.145,0.95) 63(-15.875,2.85) 64(-14.605,0.95) 65(-13.335,2.85) 66(-12.065,0.95) 67(-10.795,2.85) 68(-9.525,0.95) 69(-8.255,2.85) 70(-6.985,0.95) 71(-5.715,2.85) 72(-4.445,0.95) 73(1.905,2.85) 74(3.175,0.95) 75(4.445,2.85) 76(5.715,0.95) 77(6.985,2.85) 78(8.255,0.95) 79(9.525,2.85) 80(10.795,0.95) 81(12.065,2.85) 82(13.335,0.95) 83(14.605,2.85) 84(15.875,0.95) 85(17.145,2.85) 86(18.415,0.95) 87(19.685,2.85) 88(20.955,0.95) 89(22.225,2.85) 90(23.495,0.95) 91(24.765,2.85) 92(26.035,0.95) 93(27.305,2.85) 94(28.575,0.95) 95(29.845,2.85) 96(31.115,0.95) 97(32.385,2.85) 98(33.655,0.95) 99(34.925,2.85) 100(36.195,0.95)
  round 2.54 hole 2.54 unplated: ""(-39.37,0) ""(39.37,0)
  silkscreen extent -48.89,-3.77 48.89,3.77, body extent -54.14,-4.02 51.86,3.52, height 16.75
TTL_CONN_5 [mm]
  oval 0.8x1.5 smd: 1(-3,0) 2(-1.5,0) 3(0,0) 4(1.5,0) 5(3,0)
  silkscreen extent -3.71,-1 3.72,1

## Part data
C1 C2 C3 C4 C6 C7 C10 C11 C12 C13 C16 C17 C18 C19 C20 C21 C22 C24 C25 C27 C28 C29 C30 C33 C34 C35 C36 C37 C38 C39 C42 C43 C44 C45 C46 C47 C50 C51 C75 C76 C77 C78 C79 C80 C81 C82 C83 C84 C85 C86 C87 C88 C89 C90: library part "CAP 1nF 1206"
C5 C91 C92: library part "CAP 0.1uF SMD 0805", "Cap Ceramic 0.1uF 35V X7R 10% SMD 0805 125Â°C Paper T/R", Package="0805 KEMET", Availability=Unavailable, MF=KEMET, MP=C0805C104K6RACTU, Price=None, SnapEDA_Link=https://www.snapeda.com/parts/C0805C104K6RACTU/KEMET/view-part/2037626/?ref=snap
C8 C9 C23: library part "CAP 4.7uF"
C14 C15 C26: library part "CAP 10UF 0805", "Tantalum Capacitors - Solid SMD 16V 10uF 20%", Package="0805 AVX", Availability=Unavailable, MF=AVX, MP=TPCR106M016X1800, Price=None, SnapEDA_Link=https://www.snapeda.com/parts/TPCR106M016X1800/AVX/view-part/1707887/?ref=snap
C31 C32 C40 C41 C48 C49 C52 C53 C54 C55 C56 C57 C58 C59 C60 C61 C62 C63 C64 C65 C66 C67 C68 C69: library part "capacitor 10*20", "PKL5-063V472MM450 Aluminum Electrolytic Capacitors - Snap In 63volts 4700uF 20%", Capacitance=4.7mF, Case/Package=Radial, Manufacturer=Nichicon, Manufacturer Part Number=LKS1J472MESZ, Max Operating Temperature=85°C, Min Operating Temperature=-40°C, Package Quantity=250, Ripple Current=3A, Supplier Part Number 1=647-LKS1J472MESZ, Tolerance=20%, Voltage Rating=63V, ComponentLink2Description=https://www.ozdisan.com/pasif-komponentler/kondansatorler/aluminyum-kondansatorler/PKL5-063V472MM450, ComponentLink2URL=https://www.ozdisan.com/pasif-komponentler/kondansatorler/aluminyum-kondansatorler/PKL5-063V472MM450, Diameter=22mm, Height - Seated (Max)=1.772inch, Lead Pitch=0.394inch, Length=45mm, Life (Hours)=1000Hour, Mount="Through Hole", Packaging=Bulk, RoHS=Yes, Supplier 1=Mouser, Termination="Snap in", Voltage Rating (DC)=63V
C70 C71: library part C-1206
C72 C73 C74 C93 C94 C95 C96 C97 C98 C99 C100 C101 C102 C103 C104 C105 C106 C107 C108 C109 C110 C111 C112 C113 C114 C115 C116 C117 C118 C119 C120 C121 C122 C123 C124 C125 C126 C127 C128 C129 C130 C131: library part "CAP 100nF 50V SMT 0805", "WCAP-CSGP General Purpose MLCC; SMT 0805; X7R; 100nF 10%; 50V; -55C to +125C; Tech. PN X7R0805104K050DFCT10000", Package="0805 Wurth Electronics", Availability=Warning, BuyPart=https://www.snapeda.com/parts/885012207098/Wurth%20Electronics%20Inc/view-part/4217223/?ref=eda, DigiKey-Purchase-URL=https://snapeda.com/shop?store=DigiKey&id=4217223, MF="Wurth Electronics Inc", Mouser-Purchase-URL=https://snapeda.com/shop?store=Mouser&id=4217223, MP=885012207098, Price=None, SnapEDA_Link=https://www.snapeda.com/parts/885012207098/Wurth%20Electronics%20Inc/view-part/4217223/?ref=snap
D1 D2 D3 D4 D5 D6 D7 D8 D9 D10 D11 D12 D13 D14 D15 D16 D17 D18 D19 D20 D21 D22 D23 D24 D25 D26 D27 D28 D29 D30 D31 D32 D33 D34 D35 D36 D37 D38 D39 D40 D41 D42: library part 1N4148, "DIODE GEN PURP 100V 150MA SOD123", +Sicaklik=+150, -Sicaklik=-65, Cins=Diyot, Deger=1N4148, Kılıf=SOD123, Lehim Yöntemi=SMD, MSL="1 (Unlimited)", Uretici Kodu=1N4148W-TP
J1: "100 Position DIMM DRAM Socket Through Hole", Package=None, Availability=Unavailable, Centerline_Pitch="1.27 mm[.05 in]", EU_RoHS_Compliance=Compliant, MF="TE Connectivity", MP=5390213-1, Number_of_Positions=100, Price=None, Product_Type=Socket, SnapEDA_Link=https://www.snapeda.com/parts/5390213-1/TE%20Connectivity%20AMP%20Connectors/view-part/781316/?ref=snap, TE_purchase_URL=https://www.te.com/usa-en/product-5390213-1.html?te_bu=Cor&te_type=disp&te_campaign=seda_glo_cor-seda-global-disp-prtnr-fy19-seda-model-bom-cta_sma-317_1&elqCampaignId=32493
J2: "Conn Power HDR 35 POS 4mm Solder ST Thru-Hole 35 Terminal 1 Port Automotive Loose", Package=None, Availability=Unavailable, DigiKey-Purchase-URL=https://snapeda.com/shop?store=DigiKey&id=1466385, EU_RoHS_Compliance=Compliant, MF="TE Connectivity", MP=776230-2, Price=None, SnapEDA_Link=https://www.snapeda.com/parts/776230-2/TE%20Connectivity%20AMP%20Connectors/view-part/1466385/?ref=snap
P1: library part HDR(1X3), +Sicaklik=+105, -Sicaklik=-40, Cins=Konnektor, Kılıf="3POS 2.54MM", Lehim Yöntemi=MANUEL, MSL="1 (Unlimited)", Uretici Kodu=613003143121
P2 P3: library part HDR(1X5), +Sicaklik=+105, -Sicaklik=-40, Cins=Konnektor, Kılıf="5POS 2.54MM", Lehim Yöntemi=MANUEL, MSL="1 (Unlimited)", Uretici Kodu=613005143121
PS1: "10 Watt DIP24 & SMD Single & Dual Output", Package=None, Availability=Unavailable, MP=REC10-4815DRWZ/H2/A/M/SMD, Price=None
R1 R2 R4 R6 R8 R10 R12 R15 R16 R17 R18 R19 R20 R21 R32 R33 R35 R37 R39 R41 R43 R46 R47 R48 R49 R50 R51 R52 R63 R64 R66 R68 R70 R72 R74 R77 R78 R79 R80 R81 R82 R83: library part "RES 22Ω 1206", "CRG1206 1% 22R", Package=None, Availability=Unavailable, MP=1623463-1, Price=None
R3 R5 R7 R9 R11 R13 R14 R23 R24 R25 R26 R27 R28 R29 R34 R36 R38 R40 R42 R44 R45 R54 R55 R56 R57 R58 R59 R60 R65 R67 R69 R71 R73 R75 R76 R85 R86 R87 R88 R89 R90 R91: library part "10K 0805", "10 kOhms ±1% 0.125W, 1/8W Chip Resistor 0805 (2012 Metric) Moisture Resistant Thick Film", +Sicaklik=+155, -Sicaklik=-55, Cins=Direnc, Deger=10K, Kılıf=0805, Lehim Yöntemi=SMD, MSL="1 (Unlimited)", Uretici Kodu=RC0805FR-0710KL
R22 R53 R84: library part "RES 12K 1206", "Res Thick Film 1206 12K Ohm 1% 0.25W(1/4W) Â±100ppm/Â°C Pad SMD T/R", Package=1206, Availability=Warning, Check_prices=https://www.snapeda.com/parts/1623417-1/TE%20Connectivity/view-part/2210700/?ref=eda, EU_RoHS_Compliance="Compliant with Exemptions", MF="TE Connectivity", MP=1623417-1, Price=None, SnapEDA_Link=https://www.snapeda.com/parts/1623417-1/TE%20Connectivity/view-part/2210700/?ref=snap
R30 R31 R61 R62 R92 R93: library part "0207 melf", ComponentLink1Description=https://www.ozdisan.com/pasif-komponentler/direncler/smt-smd-direncler/M271UFG100KT20, ComponentLink1URL=https://www.ozdisan.com/pasif-komponentler/direncler/smt-smd-direncler/M271UFG100KT20
R94 R95: library part R-1206_GS, "1206S4F1002T5E", ComponentLink1Description=link, ComponentLink1URL=https://www.ozdisan.com/pasif-komponentler/direncler/smt-smd-direncler/1206S4F1002T5E
R98 R102: library part "RES 10K 0805", "Precision Thick Film Surface Mnt Resistor 0805 10kOhm +/-0.5% 0.1W +/-50ppm/degC", Package="2012 Panasonic Electronic Components", Availability=Unavailable, MF=Panasonic, MP=ERJ6RBD1002V, Price=None, SnapEDA_Link=https://www.snapeda.com/parts/ERJ6RBD1002V/Panasonic/view-part/946355/?ref=snap
R99: library part "RES 120Ω 0805", "RESISTOR, THICK FILM, 120R, 5%, 0805", Package=None, Availability=Unavailable, MP=CRGS0805J120R, Price=None
R100 R101: library part "RES 0.0 Ω 1206"
R103 R104 R105 R106 R107 R108: library part "1K 0805", "1 kOhms ±1% 0.125W, 1/8W Chip Resistor 0805 (2012 Metric) Moisture Resistant Thick Film", +Sicaklik=+155, -Sicaklik=-55, Cins=Direnc, Deger=1K, Kılıf=0805, Lehim Yöntemi=SMD, MSL="1 (Unlimited)", Uretici Kodu=RC0805FR-071KL
R109: library part "RES 2.2K 1206", "RES SMD 2.2K OHM 1% 1/4W 1206", Package=None, Availability=Unavailable, MP=CRG1206F2K2/10, Price=None
T1 T2 T3 T4 T5 T6 T7 T8 T9 T10 T11 T12 T13 T14 T15 T16 T17 T18 T19 T20 T21: library part "Terminal Connector", ComponentLink1Description=https://www.ozdisan.com/konnektor-baglanti-elemanlari/terminal-konnektorler/vida-tipi-konnektorler/K36-00AH, ComponentLink1URL=https://www.ozdisan.com/konnektor-baglanti-elemanlari/terminal-konnektorler/vida-tipi-konnektorler/K36-00AH
U1 U2 U5 U6 U7 U9: library part IXD_614
U3 U4 U8: "650 V half bridge gate driver with integrated bootstrap diode", Manufacturer="Infineon Technologies", Manufacturer Order Number=2ED21091S06F, PackageReference=PG-DSO-8-53
U10 U11: "Undefined or Miscellaneous", Manufacturer_Name="Allegro Microsystems", Arrow Part Number=ACS758ECB-200B-PFF-T, Arrow Price/Stock=https://www.arrow.com/en/products/acs758ecb-200b-pff-t/allegro-microsystems, Datasheet Link=http://www.farnell.com/datasheets/926109.pdf, Manufacturer_Part_Number=ACS758ECB-200B-PFF-T
U13: "3.3 V CAN Transceiver with Sleep Mode 8-SOIC -40 to 125", Package="SOIC-8 Texas Instruments", Availability=Good, Check_prices=https://www.snapeda.com/parts/SN65HVD234D/Texas%20Instruments/view-part/75912/?ref=eda, DigiKey-Purchase-URL=https://snapeda.com/shop?store=DigiKey&id=75912, MF="Texas Instruments", Mouser-Purchase-URL=https://snapeda.com/shop?store=Mouser&id=75912, MP=SN65HVD234D, Price=None, SnapEDA_Link=https://www.snapeda.com/parts/SN65HVD234D/Texas%20Instruments/view-part/75912/?ref=snap, Texas_Instruments-Purchase-URL=https://snapeda.com/shop?store=Texas+Instruments&id=75912
U14: "6-Bit Bidirectional Voltage-Level Translator with Auto Direction Sensing and +/-15-kV ESD Protect 16-TSSOP -40 to 85", Package="TSSOP-16 Texas Instruments", Availability=Warning, BuyPart=https://www.snapeda.com/parts/TXB0106PWR/Texas%20Instruments/view-part/134340/?ref=eda, DigiKey-Purchase-URL=https://snapeda.com/shop?store=DigiKey&id=134340, MF="Texas Instruments", Mouser-Purchase-URL=https://snapeda.com/shop?store=Mouser&id=134340, MP=TXB0106PWR, Price=None, SnapEDA_Link=https://www.snapeda.com/parts/TXB0106PWR/Texas%20Instruments/view-part/134340/?ref=snap, Texas_Instruments-Purchase-URL=https://snapeda.com/shop?store=Texas+Instruments&id=134340

## Free pads (board coordinates)
  oval 0.5x4 hole 0.5 slot 4 at 90 deg: 2(206.98,38.239) 2(213.961,44.95) 2(214.343,29.882)

## Via types
v1: diameter 1.27, hole 0.711, Top Layer to Bottom Layer, 775 vias

## Nets (pads, with @x,y where several pads share a name; then routed paths per layer and width w, separated by ;. In a path a pad name is that pad's centre, name@x,y a point inside that pad or via, vN(x,y) a via of type N, cw(c..) or ccw(c..) an arc to the next point about the centre after c; other vN are vias at no path point)
3.3V: U10.1
5V0: J1.54 J1.64 J1.74 J1.84 J1.92
+3V3: C5.1 C91.1 R98.2 R109.2 U13.3 U14.2
+5V: C92.1 P2.4 P3.4 R103.2 R104.2 R105.2 R106.2 R107.2 R108.2 U14.15